# KiCad board bottom-board.kicad_pcb (continued)
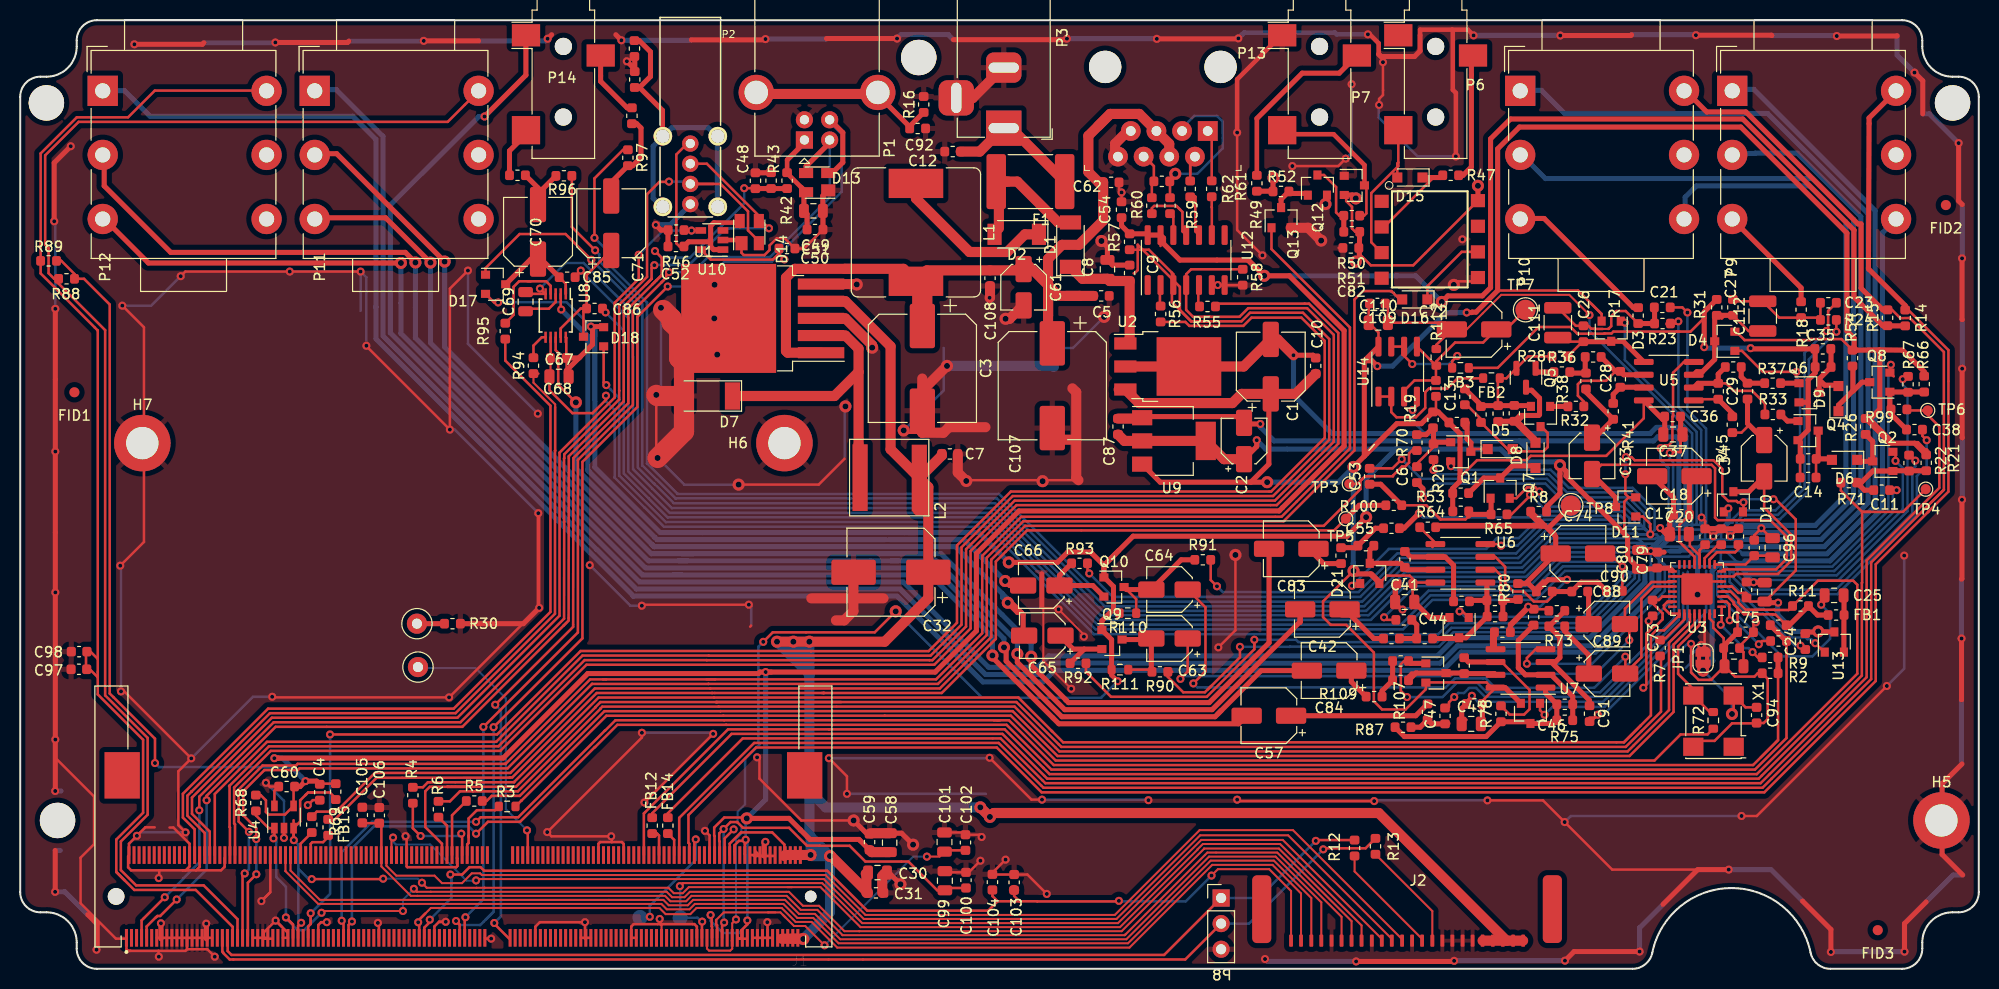
[diagram p0: board, top side]
## Routing (per net, layer and track width the routed paths; a pad name or vN(x,y) marks a point on that pad's centre or on a via; arc(x,y) is an arc through that point) (continued)
GNDD: length 1465.6
  Top w0.2: 101.34,35.73 102.74,35.73 v1(102.85,35.62) 105.36,33.11 v1(105.36,32.92) ; 101.34,35.73 101.19,35.88 ; 101.34,35.73 101.34,30.51 v1(104.1,27.75) ; J1.205 63.53,4.31 63.44,4.39 63.44,4.84 v1(63.34,4.94)
  Top w0.25: 14.79,14 15.17,14 16.78,12.4 J1.26 16.78,10.15 16.39,9.76 16.08,9.76 ; 73.69,11.18 73.29,11.18 72.81,11.66 ; 73.69,11.18 73.19,11.18 73.24,11.18 72.94,11.19 ; 73.69,11.18 74.69,11.18 ; J1.58 24.78,7.6 v1(23.89,6.71) 24.69,7.51 ; U3.30 166.84,31.58 JP1.2 ; 17.42,9.76 17.78,10.12 J1.30 ; 17.42,9.76 16.08,9.76 ; 17.42,9.76 19.9,9.76 20.25,10.12 20.25,10.98 ; 55.94,2.98 v1(55.94,4.62) 51.47,4.62 51.03,4.18 J1.155 ; J1.240 J1.244 ; v1(118.62,67.76) 118.63,67.74 R58.2 ; v1(118.62,67.76) U12.7 ; v1(118.62,67.76) U12.6 ; J1.180 57.28,12.39 57.45,12.56 58.6,12.56 ; 81.65,50.54 79.09,47.98 v2(71.16,47.98) ; 108.22,81.07 109.49,82.34 109.49,83.61 ; J1.224 68.28,13.23 v1(67.83,13.67) ; v1(169.23,9.83) 157.69,9.83 v1(152.98,14.54) 150.83,16.69 v1(145.33,16.69) ; 13.32,14.02 12.4,14.02 v1(11.56,13.18) 10.78,12.4 J1.2 ; v1(81.89,17.34) 81.89,19.08 v1(80.1,20.87) ; 58.6,12.56 59.6,12.56 59.78,12.38 J1.190 ; 58.6,12.56 58.6,13.07 v1(58.54,13.13) 52.62,13.13 v1(52.2,13.55) 61.58,22.92 v1(61.58,23.39) ; C48.2 72.81,78.88 ; v1(3.48,22.72) 3.48,20.91 7.32,17.07 7.32,12.35 5.98,11.01 5.98,6.49 9.48,2.99 10.44,2.99 ; 26.09,12.93 26.13,12.97 U4.2 ; v1(120.54,16.76) 120.68,16.62 v1(134.11,16.62) ; v1(16.38,13.52) 15.66,14.24 15.66,19.57 v1(16.94,20.85) 10.31,27.49 v1(9.98,27.49) ; J1.195 J1.193 60.53,4.19 60.77,4.43 63.48,4.43 ; v1(28.49,16.22) 28.98,16.71 C4.1 ; 93.87,86.87 91.41,86.87 ; v1(101.68,7.42) 99.76,9.35 C103.2 96.32,9.35 C104.2 96.3,9.52 v1(97.6,10.82) ; v2(120.37,41.01) 120.37,33.55 v1(118.68,31.85) ; v1(51.4,35.77) 51.4,45.06 v1(51.32,45.15) ; v1(51.4,35.77) 51.35,35.77 v1(42.48,26.9) 25.02,26.9 v1(24.96,26.96) ; v1(51.4,35.77) 51.27,35.9 51.27,44.95 ; C101.2 93.41,13.51 C102.2 95,13.29 v1(95.23,13.06) ; v1(9.91,39.95) 12.26,42.3 12.26,63.57 v1(10.11,65.71) ; v1(96.02,20.91) 100.17,16.76 v1(101.21,16.76) ; 29.95,4.62 v1(30.37,4.62) 29.8,4.62 29.53,4.34 J1.77 ; 46.64,2.98 v1(46.65,2.99) 46.11,2.99 J1.143 ; v1(44.35,69.19) 42.56,67.4 v1(42.56,53.43) 34.29,61.7 v1(34.29,61.74) ; v2(101.27,48.32) 101.22,48.37 101.22,48.42 ; 72.94,11.19 72.93,11.18 ; 72.94,11.19 72.69,11.18 ; v1(33.72,69.09) 16.36,69.09 v1(15.9,68.63) ; v1(24.34,18.43) 24.71,18.06 C60.1 25.18,17.64 U4.5 ; v1(131.29,80.28) 130.55,79.54 v1(126.01,79.54) ; v1(170.5,15.14) 172.01,15.14 v1(184.89,28.03) ; 43.25,10.98 43.3,10.93 43.3,10.18 ; v1(123.04,70.7) 120.54,73.2 v1(120.54,82.86) ; v2(142,67.77) 142.35,68.12 144.01,68.12 U11.5 ; v2(63.13,50.62) 63.01,50.75 v2(63.01,56.87) ; 63.48,4.43 66.78,4.43 67.03,4.18 J1.219 ; 63.48,4.43 63.44,4.39 ; C82.1 130.59,71.43 ; J1.230 69.78,12.93 v1(70.67,13.82) ; C99.2 91.71,9.56 C100.2 93.96,9.56 v1(95.11,10.71) ; 24.94,2.98 24.14,2.98 24.14,3.62 v1(25.3,4.78) ; J1.173 J1.177 ; v1(19.27,1.2) 18.53,1.94 16.53,1.94 ; U4.2 26.13,12.97 v1(26.13,12.97) ; U4.2 26.12,13.94 26.11,13.93 ; J1.247 74.03,4.6 v1(74,4.62) ; 10.69,11.18 10.69,10.06 10.98,9.76 13.77,9.76 ; JP1.2 166.6,31.34 ; JP1.2 166.69,31.91 v1(166.5,32.1) ; C54.2 v1(109.09,76.93) 108.84,77.18 C62.2 ; 38.19,13.13 v1(38.17,13.15) 38.28,13.05 J1.112 38.28,10.15 38.35,10.07 43.19,10.07 43.19,10.07 43.3,10.18 ; v1(134.98,89.84) 134.98,86.58 134.6,86.2 v1(134.6,85.6) ; v2(63.47,65.5) 64.52,64.45 v2(68.75,64.45) ; v1(25.3,4.78) 26.49,3.59 26.49,3.07 ; v1(25.3,4.78) 25.94,4.14 ; 142.17,80.52 v1(142.2,80.5) ; 16.08,9.76 13.77,9.76 ; J1.13 J1.35 ; J1.101 35.53,4.46 v1(35.43,4.55) 35.44,4.54 ; v2(82.55,14.7) 77.37,14.7 73.22,18.85 73.22,21.14 ; 101.22,48.42 104.82,48.42 ; 101.22,48.42 93.79,48.42 v2(93.71,48.34) ; 79.52,73.86 C50.1 77.63,71.38 C51.2 75.71,72.4 74.94,72.4 74.22,71.68 74.22,71.23 73.73,70.73 71.67,70.73 71.44,70.95 D14.1 ; 16.53,1.94 16.36,1.78 13.7,1.78 ; 16.53,1.94 J1.25 ; 13.77,9.76 13.77,9.04 v1(13.72,8.99) ; v1(72.17,36.08) 61.68,36.08 v1(61.57,35.98) ; 43.3,10.18 43.3,10.39 ; 10.52,1.78 10.92,1.78 ; 10.92,1.78 13.7,1.78 ; 10.92,1.78 10.69,1.78 10.53,1.94 J1.1 ; 13.7,1.78 13.7,1.24 v1(13.74,1.2) ; v1(68.64,23.28) v1(61.83,16.48) ; 89.35,53.12 87.74,53.12 v2(87.51,53.35) ; 72.3,33.9 72.4,34 ; 41.5,4.66 v1(42.15,4.66) 41.49,4.66 41.03,4.19 J1.123 ; J1.249 J1.241 ; J1.51 J1.57 ; J1.65 J1.63
  Top w0.45: D14.1 71.13,72.22 U10.2 ; 134.56,90.63 134.56,91.71 133.67,92.6 v1(133.49,92.6) ; v1(142.2,80.5) 142.2,86.8 141.9,87.1 141.9,93 141.84,93.06 ; 141.84,93.06 143.39,93.06 v1(143.96,92.49) ; 141.84,93.06 138.66,93.06 138.66,92.49 ; v1(120.54,82.86) 120.54,88.14 125,92.6
  Top w0.5: 18.19,91.76 18.04,91.61 v1(11.31,91.61) ; v1(192.33,46.48) 192.33,38.66 192.28,38.61 ; 188.45,84.72 188.45,87.99 v1(187.63,88.81) ; v1(192.29,32.73) 192.29,26.68 192.28,26.67 ; 13.94,2.98 v1(13.94,4.51) ; 129.44,76.83 129.44,75.93 v2(129.29,75.78) ; v1(7.56,1.89) 7.63,1.96 7.63,4.43 6.7,5.36 ; v1(153.01,0.81) 153.91,1.71 v1(160.4,1.71) ; v1(62.96,73.71) 63.47,73.21 R46.2 64.17,73.19 C52.1 ; R43.2 74.36,78.88 C48.2 ; C9.2 108.21,69.73 C8.2 107.69,71.53 v2(107.1,72.12) ; v1(52.24,92.16) 52.64,92.56 ; v1(186.64,1.7) 186.64,4.48 188.79,6.63 ; v1(112.58,92.15) 120.61,92.15 v1(120.66,92.2) ; v1(132.32,0.73) 141.97,0.73 v1(142.03,0.79) ; R30.1 49.84,34.2 v1(51.4,35.77) ; v1(3.46,7.63) 3.47,7.64 3.47,11.73 ; 101.19,39.16 101.19,35.88 ; 138.66,92.49 138.66,90.95 138.11,90.4 134.79,90.4 134.56,90.63 134.65,90.54 ; v1(5.01,81.51) 3.37,79.87 v1(3.37,74.07) ; v1(39.97,91.95) 45.41,91.95 ; 73.69,11.18 73.69,12.46 v1(73.81,12.58) ; C93.1 60.87,90.37 R48.2 60.87,89.15 v1(60.09,89.93) ; v1(192.35,59.47) 192.35,52.63 192.36,52.62 ; 162.72,6.39 166.16,9.83 v1(169.23,9.83) ; 173.5,92.48 173.47,92.51 v1(165.98,92.51) ; 192.33,20.3 190.37,18.34 190.37,11.34 192.4,9.3 ; v1(103.68,92.17) 103.58,92.07 92.43,92.07 ; 176.54,6.71 179.35,3.9 v1(179.35,1.67) ; C50.1 79.52,75.09 C49.2 ; 185.91,92.46 185.88,92.43 v1(179.93,92.43) ; v1(3.47,17.62) 3.48,17.63 v1(3.48,22.72) v1(3.48,37.3) v1(3.48,51.26) v1(3.48,65.4) ; v1(18.43,4.48) 18.44,4.47 18.44,2.98 ; C49.2 79.5,76.6 D13.1 ; C49.2 79.54,75.07 ; v1(152.54,92.48) 159.53,92.48 159.61,92.56 ; v1(192.34,70.4) 192.34,64.34 192.36,64.32 ; 79.86,92.18 v1(86.85,92.18) ; 192.36,75.73 192,76.09 v1(192,81.82) ; C59.2 83.9,13.35 v2(82.55,14.7) ; 32.55,91.92 32.42,91.79 v1(25.27,91.79) ; 66.47,92.05 73.74,92.05 v1(73.82,92.13) ; 85.63,9.43 86.14,9.43 v2(87.19,8.38) ; 59,92.56 v1(59.55,92.01) ; C58.2 87.3,13.44 v2(88.44,12.3)
  Top w1: C58.2 84.22,13.44 ; 85.62,9.44 85.63,9.43 85.39,9.19 85.39,7.52 ; v2(128.86,72.16) 127.59,73.43 Q13.2 ; 82.53,36.71 82.53,35.44 81.62,34.53 80.8,34.53 ; 82.53,36.71 78.36,36.71 ; 82.53,36.71 85.51,36.71 ; 82.53,36.71 82.53,39.01 ; 92.64,86.28 94.34,86.28 97.34,89.28 ; v2(84.39,61.55) 84.39,61.79 81.73,64.45 U1.3 ; v2(93.71,48.34) 92.87,49.18 C7.2 ; 89.35,53.12 89.35,57.29 v2(91.8,59.74) ; 89.35,53.12 91.44,53.12 91.99,53.67 95.61,53.67 ; 89.35,53.12 89.35,58.49 ; 104.6,52.43 104.6,48.64 104.82,48.42 ; 104.6,52.43 104.6,57.14 104.22,57.52 ; 104.6,52.43 101.57,52.43 ; 108.45,80.49 108.45,81.76 109.72,83.03 ; v2(82.86,67.81) 82.82,67.85 U1.5 ; C108.2 96.06,66.53 v1(96.02,66.49) ; v2(97.6,64.41) 98,64.41 99.5,65.91
  Top w2: D7.2 63.12,56.76 v2(63.01,56.87) ; D7.2 65.75,53.24 v2(63.13,50.62) ; D7.2 65.75,60.03 ; v2(68.78,67.78) 70.18,66.39 U1.3 ; U1.3 65.75,60.03 ; U1.3 v2(68.75,64.45) ; U1.3 70.18,62 v2(69.04,60.86) ; 65.75,60.03 65.27,60.51 65.27,63.29 64.52,64.04 64.52,64.45 63.68,65.29
  GNDD.Cu w0.5: v1(5.01,81.51) 6.12,82.62 6.12,82.67 7.29,83.84 10.92,83.84 11.31,84.23 v1(11.31,91.61)
  Bottom w0.25: v1(26.13,12.97) 26.13,16.64 v1(24.34,18.43) ; v1(152.98,14.54) 153.58,15.14 v1(170.5,15.14) ; 81.65,50.54 81.65,55.64 v2(81.74,55.73) ; v1(166.5,32.1) 165.44,31.04 165.44,30.3 164.97,29.83 ; v1(3.37,74.07) 3.48,73.96 v1(3.48,65.4) v1(3.48,51.26) v1(3.48,37.3) v1(3.48,22.72) ; 72.4,34 72.4,35.85 v1(72.17,36.08) ; v2(87.51,53.35) 91.47,57.31 91.47,61.52 ; v1(51.32,45.15) 43.04,53.43 v1(42.56,53.43) ; 95.65,17.34 v1(81.89,17.34) ; v1(51.27,55.01) 44.35,61.93 v1(44.35,69.19) ; v1(68.64,23.28) 68.53,23.39 v1(61.58,23.39) ; v2(63.13,50.62) 65.77,47.98 v2(71.16,47.98) ; v1(61.57,35.98) 60.43,35.98 v1(56.42,40) ; v1(9.91,39.95) 9.98,39.87 v1(9.98,27.49) ; v1(10.11,65.71) 12.98,65.71 v1(15.9,68.63) ; v1(184.89,28.03) 186.61,29.75 v1(186.61,40.95) ; 102.47,61.52 104.28,61.52 v2(107.36,64.6) ; v2(63.47,65.5) 63.47,57.34 v2(63.01,56.87) ; v1(131.29,80.28) 131.87,80.87 v1(131.87,87.66) ; v1(96.02,20.91) 95.98,20.87 v1(80.1,20.87) ; v1(34.29,61.74) 34.29,68.52 v1(33.72,69.09) ; v1(24.96,26.96) 23.05,26.96 v1(16.94,20.85) ; v1(142.2,80.5) 138.42,80.5 134.56,84.36 134.56,85.56 v1(134.6,85.6) ; v1(33.72,69.09) 33.72,65.2 ; v1(33.72,69.09) v1(26.7,69.09) ; 42.54,26.9 v1(42.48,26.9) ; v1(101.21,16.76) 111.7,16.76 v1(111.75,16.71) ; v1(16.38,13.52) 11.9,13.52 v1(11.56,13.18) ; v1(145.33,16.69) 134.18,16.69 v1(134.11,16.62)
  Bottom w0.45: v1(120.66,92.2) 121.24,92.78 130.22,92.78 130.4,92.6 v1(133.49,92.6)
  Bottom w0.5: v1(192.34,70.4) 192.36,70.42 192.36,75.73 ; 45.41,91.95 52.03,91.95 v1(52.24,92.16) ; v1(187.63,88.81) 185.91,90.53 185.91,92.46 ; 3.97,11.73 3.47,11.73 ; v1(132.32,0.73) 123.54,0.73 v1(123.3,0.97) ; v1(160.4,1.71) 160.4,4.07 162.72,6.39 ; v1(86.85,92.18) 87.25,92.58 91.92,92.58 92.43,92.07 ; v1(192.35,59.47) 192.36,59.48 192.36,64.32 ; 192.28,38.61 192.28,32.74 v1(192.29,32.73) ; 66.47,92.05 66.43,92.01 v1(59.55,92.01) ; 192.36,52.62 192.36,46.51 v1(192.33,46.48) ; 192.4,9.3 191.46,9.3 188.79,6.63 ; v1(153.01,0.81) 142.05,0.81 v1(142.03,0.79) ; 66.34,75.7 64.37,73.73 62.98,73.73 v1(62.96,73.71) ; v1(152.54,92.48) 152.53,92.49 v1(143.96,92.49) ; v1(186.64,1.7) 179.38,1.7 v1(179.35,1.67) ; v1(120.66,92.2) 121.06,92.6 ; 176.54,6.71 173.42,9.83 v1(169.23,9.83) ; v1(112.58,92.15) 112.56,92.17 v1(103.68,92.17) ; 159.61,92.56 165.93,92.56 v1(165.98,92.51) ; v1(73.82,92.13) 79.81,92.13 79.86,92.18 ; 173.5,92.48 179.88,92.48 v1(179.93,92.43) ; v1(25.27,91.79) 25.24,91.76 18.19,91.76 ; 192.28,26.67 192.28,20.35 192.33,20.3 ; 32.55,91.92 39.94,91.92 v1(39.97,91.95) ; v1(3.47,17.62) 4.04,17.62 ; 6.7,5.36 4.43,7.63 v1(3.46,7.63) ; 188.45,84.72 189.1,84.72 v1(192,81.82)
  Bottom w1: 102.38,59.64 102.28,59.74 v2(91.8,59.74)
  vias: v1(72.99,20.95) v1(142.85,72.29)
/audio-inputs/INPUT_BIAS_1: length 64.1
  Top w0.25: 164.06,63.14 164.37,63.14 ; 164.06,63.14 165.44,63.14 166.8,64.5 ; 164.06,63.14 157.8,63.14 157.62,62.96 156.93,62.96 156.9,62.93 ; 177.19,53.94 177.19,56.43 ; 177.19,56.43 177.19,58.47 177.79,59.07 R44.1 ; 177.19,56.43 176.89,56.13 Q6.2 ; 143.49,59.55 146.35,59.55 150.4,63.6 153.56,63.6 154.23,62.93 156.9,62.93 ; 156.9,62.93 156.93,62.95 ; R29.1 176.3,50.52 C14.2
  Top w0.5: Q6.2 177.09,56.13 ; 177.09,56.13 177.09,53.38 Q4.2 176.31,52.16 R29.1 ; 177.09,56.13 177.09,58.34 177.79,59.04 R44.1 177.79,61.41 C35.2 171.47,61.43 v1(171.4,61.5) ; v1(166.8,61.6) 166.8,65.09 R31.1
  Bottom w0.5: v1(166.8,61.6) 166.9,61.5 v1(171.4,61.5)
/audio-inputs/INPUT_BIAS_2: length 22.2
  Top w0.25: R27.1 143.19,57.22 143.09,57.22 ; R40.1 146.37,55.83 146.37,58.51 147.2,58.51 Q5.2 149.38,60.69 151.71,60.69 R28.1 ; R40.1 146.41,55.83 C22.2 149.54,55.83 Q3.2 ; R40.1 146.47,55.73
  Top w0.5: C13.2 144.69,55.87 R27.1 ; 148.14,59.23 148.24,59.33 ; R27.1 144.7,55.73 ; R27.1 144.78,55.81 R40.1 149.56,55.81 Q3.2
CHAIN_UART_DE: length 171.7
  Top w0.25: 20.74,18.15 20.74,14.05 20.78,14.02 J1.42 ; 20.74,18.15 24.64,22.05 47.36,22.05 55.91,30.59 68.01,30.59 68.01,30.58 90.35,30.58 93.69,33.92 93.69,41.58 98.5,46.4 124.28,46.4 130.11,52.23 130.11,62.82 127.47,65.46 121.63,65.46 120.78,64.61 117.8,64.61 ; 20.74,18.15 20.69,18.1 ; R58.1 115.98,69.32 115.49,68.83 U12.4 115.49,65.29 116.17,64.61 117.29,64.61 ; 117.8,64.61 117.29,64.61 ; 117.8,64.61 117.29,64.61
CHAIN_UART_RE: length 187
  Top w0.25: 110.29,68.92 110.37,68.92 110.69,69.24 110.69,71.75 114.86,67.57 114.86,65.28 115.98,64.16 ; 117.61,64.16 115.98,64.16 ; 117.61,64.16 120.96,64.16 121.81,65.01 127.06,65.01 129.66,62.41 129.66,52.41 124.09,46.85 98.31,46.85 93.24,41.77 93.24,34.1 90.17,31.03 68.2,31.03 68.19,31.04 55.69,31.04 47.15,22.5 24.45,22.5 19.28,17.32 J1.36 ; 117.61,64.16 115.98,64.16 ; 115.98,64.16 114.08,66.06 114.08,68.97 ; R57.2 111.8,71.26 114.08,68.97 ; 114.08,68.97 114.22,68.83 U12.3
CHAIN_UART_RX: length 164.6
  Top w0.25: R56.2 115.41,64.1 115.8,63.71 121.15,63.71 121.96,64.52 126.91,64.52 129.21,62.22 129.21,52.6 123.91,47.3 98.13,47.3 92.79,41.96 92.79,34.29 89.98,31.48 78.33,31.48 78.32,31.49 55.51,31.49 47.24,23.22 v1(30.69,23.22) ; 28.77,4.45 v1(28.77,5.5) 28.77,4.44 28.53,4.19 J1.73
  Bottom w0.25: v1(28.77,5.5) 30.69,7.42 v1(30.69,23.22)
CHAIN_UART_TX: length 159.2
  Top w0.25: J1.44 21.28,14.32 21.19,14.41 21.19,17.96 24.82,21.6 47.55,21.6 56.09,30.13 90.54,30.13 94.14,33.73 94.14,41.4 98.69,45.95 124.46,45.95 130.56,52.04 130.56,63.01 127.66,65.91 127.22,65.91 118.67,65.91 R55.2
CLI_UART_RX: length 120.9
  Top w0.25: J1.39 20.03,1.71 20.1,1.63 20.1,1.57 20.75,0.93 21.11,0.93 80.07,0.93 83.48,0.93 115.4,0.93 P8.2 ; v1(129.07,11.84) 129.17,11.94 133.26,11.94 134.24,12.93
  Bottom w0.25: P8.2 121.71,4.48 v1(129.07,11.84)
CLI_UART_TX: length 117.5
  Top w0.25: v1(128.33,12.68) 128.41,12.76 R12.2 ; P8.1 113.31,1.38 20.93,1.38 20.55,1.76 20.55,2.74
  Bottom w0.25: P8.1 122.67,7.02 v1(128.33,12.68)
CODEC_ADC_A: length 21.2
  Top w0.25: C34.2 172.74,45.7 175.42,43.02 175.42,40.44 174.1,39.13 169.97,39.13 169.72,38.88 U3.7 169.04,38.88
  Top w0.5: D10.3 171.22,47.28 C34.2
CODEC_ADC_B: length 40
  Top w0.25: 156.49,48.23 C33.2 156.6,49.94 167.54,49.94 167.87,49.6 167.87,44.71 168.13,44.46 173.34,44.46 174.97,42.83 174.97,40.63 173.92,39.58 168.73,39.58 U3.8
  Top w0.5: C33.2 158.02,46.7 D11.3
CODEC_DAC_A: length 60.3
  Top w0.25: v1(159.38,32.57) 159.38,33.73 C88.2 158.95,35.68 161.6,38.33 163.6,38.33 U3.19 163.22,38.38 ; v1(114.92,28.73) 115.64,29.45 C63.1 115.9,32.47
  Bottom w0.25: v1(114.92,28.73) 115.19,29 141.69,29 141.92,29.23 156.04,29.23 v1(159.38,32.57)
CODEC_DAC_B: length 69
  Top w0.25: v1(116.2,28.28) 117.4,29.48 117.4,35.82 C64.1 ; U3.20 161.78,37.88 160.58,36.67 160.58,30.87 C89.2 158.99,29.28 v1(158.99,30.93)
  Bottom w0.25: v1(158.99,30.93) 155.91,27.86 146.09,27.86 145.16,28.78 142.1,28.78 141.2,27.88 117.52,27.88 ; 117.52,27.88 116.6,27.88 v1(116.2,28.28) ; 117.52,27.88 117.4,27.88
CODEC_I2C_SCL: length 171.8
  Top w0.25: v1(45.16,13.39) 46.34,14.57 49.52,14.57 56.92,21.97 56.94,21.97 59.15,24.18 69.92,24.18 80.38,24.18 97.7,24.18 102.14,19.74 171.83,19.74 174.95,22.87 R10.2 ; J1.89 32.53,4.36 v1(32.86,4.69)
  Top w0.5: R10.2 174.92,32.48 R1.2
  Bottom w0.25: v1(32.86,4.69) 32.86,11.93 35.05,14.12 44.42,14.12 v1(45.16,13.39)
CODEC_I2C_SDA: length 174.6
  Top w0.25: 174.12,31.3 R2.1 ; R2.1 174.12,22.67 174.03,22.58 ; R2.1 174.12,28.81 ; R2.1 174.12,30.85 ; 97.08,24.63 96.45,24.63 ; 96.45,24.63 80.41,24.63 ; 96.45,24.63 96.78,24.63 ; J1.87 32.03,4.59 v1(31.85,4.77) 31.94,4.67 ; 174.03,22.58 172.41,20.96 ; 174.03,22.58 171.64,20.19 102.37,20.19 97.93,24.63 96.78,24.63 ; 96.78,24.63 96.98,24.63 ; 80.41,24.63 69.74,24.63 58.96,24.63 57.92,23.59 57.9,23.59 49.33,15.02 45.61,15.02 v1(45.16,14.56) ; 80.41,24.63 80.57,24.63 ; 174.34,30.63 R9.2
  Top w0.5: 174.12,29.79 174.12,29.8 R9.2
  Bottom w0.25: v1(45.16,14.56) 45.15,14.57 34.86,14.57 31.85,11.55 v1(31.85,4.77)
CODEC_I2S_BCLK: length 4.1
  Top w0.25: J1.128 42.28,14.18 R6.2
CODEC_I2S_LRCK: length 5.9
  Top w0.25: R5.2 42.78,15.22 J1.130
CODEC_I2S_MCLK: length 7.4
  Top w0.25: J1.136 44.28,12.33 44.42,12.47 44.42,13.21 ; R3.2 47.04,15.72 45.24,15.72 44.42,14.9 44.42,13.21 ; 44.42,13.21 44.42,13.02
CODEC_I2S_SDIN: length 9.9
  Top w0.25: R4.1 38.89,13.93 v1(39.66,13.16) ; v1(43.69,13.4) 43.78,13.31 J1.134
  Bottom w0.25: v1(43.69,13.4) 43.46,13.16 v1(39.66,13.16)
CODEC_I2S_SDOUT: length 158.9
  Top w0.25: 69.01,26.43 81.31,26.43 ; 69.01,26.43 68.91,26.43 ; 69.01,26.43 69.01,26.43 57.48,26.43 56.97,25.92 56.97,25.9 49.11,18.04 43.1,18.04 40.57,18.03 40.12,17.59 40.12,14.05 41.78,12.4 J1.126 ; 44.66,18.04 44.66,18.04 42.36,18.04 42.36,18.03 42.29,18.03 42.3,18.04 44.25,18.04 44.25,18.04 ; 68.91,26.43 98.68,26.43 103.12,21.99 159.03,21.99 162.52,25.48 162.52,31.2
CODEC_RESET: length 158.8
  Top w0.25: 80.09,23.73 80.2,23.73 ; 80.09,23.73 70.11,23.73 61.78,15.4 J1.198 ; 80.09,23.73 97.51,23.73 101.33,19.91 101.95,19.29 172.01,19.29 181.97,29.24 181.97,38.06 181.56,38.46 178.06,38.46 R11.1 175.16,35.55 173.77,35.55 173.75,35.58 170.92,35.58 170.19,36.31 170.19,36.61 169.41,37.38 U3.4 168.97,37.38 168.97,37.38
HMI_ISP_ENABLE: length 103.8
  Top w0.2: v1(118,9.24) 118.63,9.88 123.72,9.88 125.88,7.71 125.88,2.96 125.88,2.96 J2.1
  Top w0.25: v1(108.83,6.73) 108.77,6.68 100.75,6.68 100.74,6.69 98.98,6.69 ; 98.98,6.69 96.81,6.69 ; 98.98,6.69 98.45,7.22 C103.1 ; C104.1 96.3,7.21 96.81,6.69 ; J1.119 40.03,4.08 40.57,4.63 v1(40.57,4.87) 40.57,4.69 ; 96.81,6.69 95.88,5.76 83.9,5.76 79.94,9.72 45.95,9.72 45.6,10.07 44.5,10.07 43.77,9.34 v1(42.61,9.34)
  Top w1: 98.43,7.82 C103.1
  Bottom w0.25: 42.71,8.43 42.71,7.01 v1(40.57,4.87) 40.62,4.87 ; 42.71,8.43 42.71,8.93 ; 42.71,8.43 42.71,9.24 v1(42.61,9.34) ; v1(118,9.24) 115.44,6.68 108.88,6.68 v1(108.83,6.73)
HMI_RESET: length 101.8
  Top w0.2: 39.63,4.98 40.68,6.03 63.32,6.03 63.93,5.42 66.38,5.42 66.99,6.03 75.43,6.03 76.81,4.64 78.38,4.64 80.93,2.1 109.87,2.1 118.07,10.3 124.04,10.3 126.87,7.47 J2.2
  Top w0.25: 40.12,5.47 39.42,4.77 v1(39.42,4.61) 39.53,4.5 J1.117
HMI_RFU_RX: length 112.7
  Top w0.2: J1.106 36.78,12.86 v1(36.93,13.01) ; J2.11 135.86,2.96 125.59,13.23 116.88,13.23 108.59,4.94 83.56,4.94 79.6,8.89 45.32,8.89 45.15,8.73
  Bottom w0.2: v1(36.93,13.01) 36.93,12.6 37.21,12.32 40.62,12.32 44.21,8.73 44.78,8.73 ; 44.78,8.73 45.15,8.73 ; 44.78,8.73 45.12,8.73 v1(45.16,8.76)
HMI_RFU_TX: length 112.6
  Top w0.2: J2.12 136.88,2.94 126.07,13.74 116.82,13.74 108.42,5.34 83.72,5.34 79.77,9.29 45.73,9.29 45.56,9.46 44.73,9.46 43.76,8.49 41.78,8.49 41.04,9.23 37.26,9.23 36.28,10.21 J1.104
HMI_UART_RX: length 115.8
  Top w0.2: J1.64 26.28,9.69 26.27,9.68 29.52,6.43 63.51,6.43 64.04,5.9 66.29,5.9 66.82,6.43 75.59,6.43 76.98,5.04 78.55,5.04 81.06,2.53 109.73,2.53 117.92,10.72 124.18,10.72 127.88,7.02 J2.3
HMI_UART_TX: length 116
  Top w0.2: 58.31,6.83 58.31,6.83 ; 58.31,6.83 29.69,6.83 26.78,9.74 J1.66 ; 58.31,6.83 63.71,6.83 64.24,6.3 66.13,6.3 66.66,6.83 75.76,6.83 77.14,5.44 78.71,5.44 81.23,2.93 109.56,2.93 117.75,11.12 124.35,11.12 128.87,6.59 J2.4
HP_CLOCK: length 79.3
  Top w0.25: R95.1 48.05,60.27 52.52,55.8 52.52,35.36 42.94,25.78 24.55,25.78 16.11,17.34 16.11,14.99 17.28,13.83 J1.28
HP_VOL: length 75.6
  Top w0.2: 52.99,55.66 52.99,55.93 50.84,58.08 R94.1
  Top w0.25: 16.97,17.56 16.56,17.16 16.56,15.17 18.28,13.46 J1.32 ; 16.97,17.56 24.74,25.33 43.12,25.33 52.97,35.18 52.97,51.33 52.99,51.35 52.99,55.66 ; 16.97,17.56 16.96,17.56 ; R94.1 51.31,58.98
IN1_DETECT: length 197.1
  Top w0.25: 186.71,65.29 187.02,65.29 190.99,61.31 190.99,47.29 189.02,45.32 ; J1.216 66.28,12.39 66.19,12.48 66.19,15.24 72.88,21.93 96.73,21.93 101.17,17.49 172.76,17.49 183.79,28.52 183.79,40.09 189.02,45.32 ; 189.02,45.32 188.93,45.23
  Top w0.5: 186.71,65.29 186.71,65.72 183.07,69.36 183.13,83.76 183.13,84.31 185.96,87.14
IN1_GC1: length 158.1
  Top w0.25: 182.44,45.28 180.34,47.38 R71.1 180.34,47.71 ; 182.44,45.28 182.44,38.27 182.42,38.24 182.42,29.06 172.2,18.84 101.73,18.84 97.29,23.28 70.47,23.28 62.6,15.42 FB12.2 ; 182.44,45.28 183.24,45.28 ; 182.44,45.28 186.49,45.28 TP4.1
IN1_GC2: length 160.2
  Top w0.25: 186.84,55.39 R99.1 ; 186.91,55.43 187.02,55.33 188.49,55.33 190.09,53.73 190.09,47.66 182.89,40.46 182.89,28.89 172.39,18.39 101.54,18.39 97.1,22.83 71.57,22.83 64.15,15.42 FB14.2
IN2_DETECT: length 209.2
  Top w0.25: J1.212 65.28,14.96 72.7,22.38 96.92,22.38 101.36,17.94 172.57,17.94 183.34,28.71 183.34,40.27 190.54,47.47 ; 190.54,47.47 188.75,45.68 ; 190.54,47.47 190.54,61.12 187.17,64.49 187.14,64.49 186.23,64.47 185.4,65.3 R15.2
  Top w0.5: R15.2 184.49,65.3 182.34,67.44 182.34,73.81 182.03,73.81 170.93,84.91 167.05,84.91 164.91,87.05
IN2_GC1: length 131.6
  Top w0.25: 138.34,51.36 137.87,51.36 137.57,51.06 137.57,50.16 137.19,49.78 136.87,49.78 135.97,48.88 135.97,48.81 133.21,48.81 132.98,48.57 ; 132.98,48.57 132.75,48.35 132.75,47.53 129.12,43.9 99.53,43.9 96.19,40.55 96.19,32.88 91.09,27.78 68.35,27.78 68.35,27.78 56.92,27.78 48.55,19.41 35.14,19.41 31.29,15.57 30.99,15.57 30.98,15.57 29.37,15.57 FB13.2 ; 132.98,48.57 132.45,48.05 TP3.1
IN2_GC2: length 122.8
  Top w0.25: 79.6,27.33 68.54,27.33 68.54,27.33 57.1,27.33 48.73,18.96 48.51,18.96 48.49,18.94 48.46,18.94 37.84,18.93 35.3,18.93 31.18,14.81 FB15.2 ; 79.6,27.33 91.28,27.33 96.64,32.69 96.64,40.36 99.72,43.45 130.15,43.45 TP5.1 ; 79.6,27.33 79.41,27.33 ; R100.1 134.83,45.93
  Top w0.5: TP5.1 132.63,45.93 R100.1
INPUT_BIAS: length 20.1
  Top w0.25: R112.2 140.27,60.2 142.13,62.06 144.9,62.06 C72.1 ; R112.2 140.27,59.8 ; R112.2 140.23,59.73 R101.1 138.1,58.3 137.08,57.28 U14.3 ; R112.2 140.23,59.77 U14.5 ; TP7.1 147.16,63.36 C72.1 ; C72.1 146.37,63.53
  Top w0.5: 146.13,63.28 C72.1
MIDI_UART_RX: length 164.1
  Top w0.25: 22.55,3.23 22.55,8.53 v1(23.39,9.37) ; v1(23.38,12.86) 23.38,13.93 22.13,15.18 22.09,15.18 22.09,17.59 24.19,19.69 27.5,19.69 27.67,19.86 48.27,19.86 56.64,28.23 56.64,28.23 68.16,28.23 68.16,28.23 90.9,28.23 95.74,33.07 95.74,40.73 99.35,44.35 125.14,44.35 132.16,51.37 132.16,52.19 132.16,66.32 133,67.16 135.82,67.16 136.76,66.22
  Bottom w0.25: v1(23.38,12.86) 23.39,12.85 v1(23.39,9.37)
MIDI_UART_TX: length 170.3
  Top w0.25: 68.84,28.68 58.04,28.68 ; 68.84,28.68 90.72,28.68 95.29,33.25 95.29,40.92 99.16,44.8 124.94,44.8 131.71,51.57 131.71,52.13 131.71,63.55 123.94,71.32 Q13.1 ; 68.84,28.68 67.98,28.68 ; 58.04,28.68 56.46,28.68 48.08,20.31 ; 58.04,28.68 57.73,28.68 57.73,28.68 ; J1.47 22.03,9.24 v1(22.24,9.45) ; 48.08,20.31 27.48,20.31 27.32,20.14 24.01,20.14 21.64,17.78 21.64,14.59 v1(22.66,13.58) ; 48.08,20.31 47.97,20.31
  Bottom w0.25: v1(22.66,13.58) 22.66,9.87 v1(22.24,9.45)
OUT1_DETECT: length 137.6
  Top w0.25: 45.54,87.12 42.35,83.93 5.79,83.93 2.47,80.61 2.47,71.76 2.81,71.42 2.81,68.93 3.37,68.37 R88.1 3.8,67.9 8.41,63.29 8.41,27.09 12.63,22.88 12.63,15.28 9.97,12.62 9.97,9.78 11.49,8.26 18.18,8.26 21.53,4.92 J1.45
OUT2_DETECT: length 122.4
  Top w0.25: 9.52,9.59 11.3,7.81 17.39,7.81 21.05,4.16 21.05,3.08 21.04,3.07 J1.43 ; 9.52,9.59 9.52,12.81 12.18,15.46 12.18,22.7 7.68,27.19 7.68,28.89 ; 9.52,9.59 10.34,8.78 ; 7.68,30.71 7.68,63.25 2.02,68.91 R89.1 2.02,80.79 5.61,84.38 10.69,84.38 13.33,87.02 24.55,87.02 ; 7.68,30.71 7.68,28.89 ; 7.68,30.71 6.98,31.41 6.52,31.41 6.52,29.59 6.51,29.58 6.99,29.58 7.68,28.89
OUTPUT_BIAS: length 66.1
  Top w0.25: 150.22,35.63 151.6,35.63 ; 150.22,35.63 149.4,35.63 147.6,33.83 R79.1 ; 150.22,35.63 149.62,35.63 v1(149.37,35.88) ; v1(153.22,38.56) 153.12,38.46 150.83,38.46 150.18,37.81 ; R82.1 151.44,43.76 ; 151.44,43.76 150.69,43.76 149.62,44.83 R8.1 ; 151.44,43.76 152.09,43.11 C74.1 150.83,39.89
  Top w0.5: v1(153.22,38.56) 151.34,38.56 R76.2 149.39,38.17 R80.1 149.11,38.17 C74.1 152.09,42.83 150.99,43.93 ; v1(149.37,35.88) 147.6,34.11 R79.1 ; 150.99,43.93 R8.1 ; 150.99,43.93 140.38,43.93 R82.1 ; 151.44,43.76 TP8.1
  Bottom w0.25: v1(153.22,38.56) 150.54,35.88 v1(149.37,35.88)
PM_LEDS_OE: length 113.1
  Top w0.2: 109.51,3.45 109.4,3.33 81.45,3.33 81.45,3.35 78.96,5.84 77.31,5.84 75.92,7.23 66.49,7.23 65.96,6.7 64.41,6.7 63.87,7.23 39.34,7.23 39.34,7.23 38.69,7.23 35.78,10.15 J1.102 ; 109.51,3.45 117.59,11.52 118.45,11.52 124.51,11.52 130.88,5.15 J2.6 ; 109.51,3.45 109.42,3.35
  Top w0.25: C106.1 35.69,14.31 ; C106.1 35.78,14.23 J1.102 ; C106.1 33.92,14.43 C105.1
PM_LEDS_SCL: length 134.8
  Top w0.2: J2.7 131.87,4.72 124.68,11.92 117.26,11.92 117.26,11.89 109.1,3.73 83.13,3.73 ; v1(29.85,5.55) 30.02,5.73 v1(37.91,5.73) ; 83.13,3.73 81.64,3.73 79.12,6.25 77.53,6.25 76.15,7.63 66.33,7.63 65.8,7.1 64.57,7.1 64.04,7.63 39.29,7.63 v1(39,7.93) 39.3,7.63 ; 83.13,3.73 83.07,3.73